# Altium PCB PCB1.PcbDoc (part 2 of 9)
Units mil, origin at the board's own origin, x right, y up, seen from the top; angles counter-clockwise.
Board outline 6000 x 4000 mil, 7 copper layers (Top Layer, InternalPlane1, MidLayer1, InternalPlane2, Internal Plane 3, MidLayer2, Bottom Layer); 389 components, 0 nets, 1750 pads, 1189 vias.
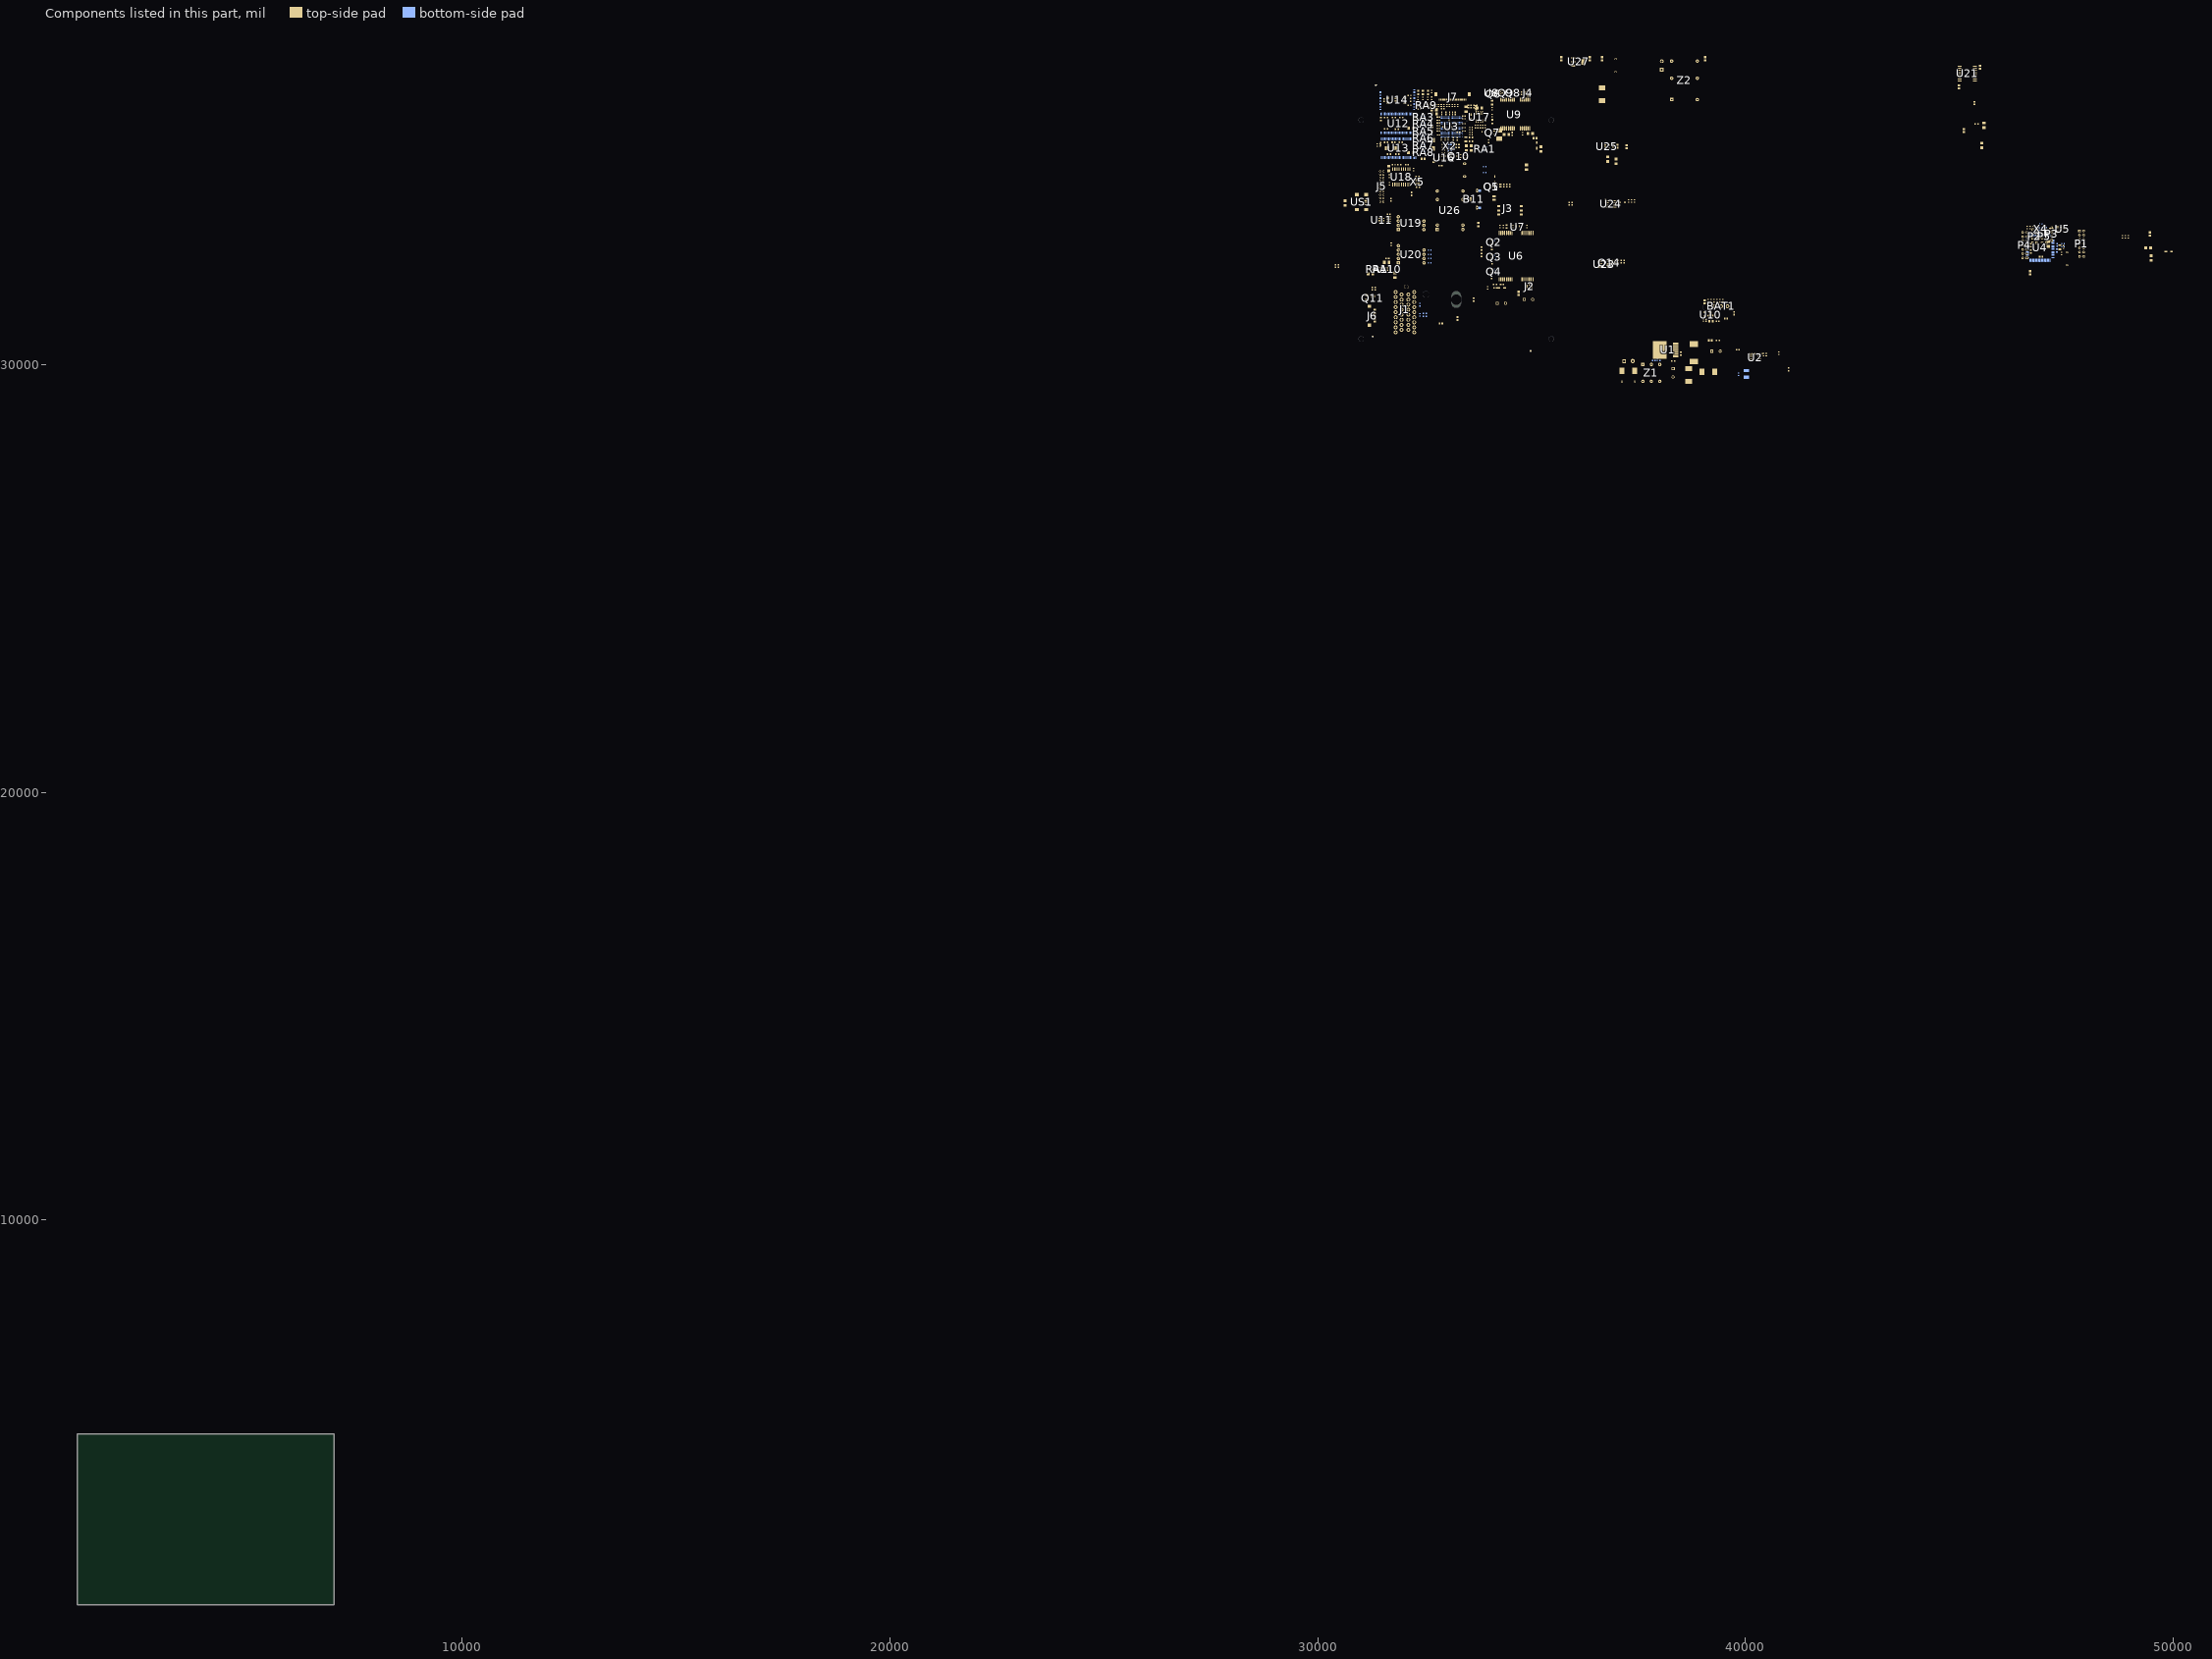
[diagram p7: the components of this part, seen from the top]

## Footprints (in the part's own frame and the unit in brackets; to place one, negate y for a bottom-side part, rotate by r counter-clockwise, add the part's x,y. Pads: shape width x height; smd on the part's side, far side on the other; paste and mask are expansions set on the pad) (continued)
TQFP100_N [mm] "100-Pin Plastic Thin Quad Flat Pack (TQFP100), IPC Medium Density"
  oval 1.8x0.3 smd: 1(-7.55,6) 2(-7.55,5.5) 3(-7.55,5) 4(-7.55,4.5) 5(-7.55,4) 6(-7.55,3.5) 7(-7.55,3) 8(-7.55,2.5) 9(-7.55,2) 10(-7.55,1.5) 11(-7.55,1) 12(-7.55,0.5) 13(-7.55,0) 14(-7.55,-0.5) 15(-7.55,-1) 16(-7.55,-1.5) 17(-7.55,-2) 18(-7.55,-2.5) 19(-7.55,-3) 20(-7.55,-3.5) 21(-7.55,-4) 22(-7.55,-4.5) 23(-7.55,-5) 24(-7.55,-5.5) 25(-7.55,-6) 51(7.55,-6) 52(7.55,-5.5) 53(7.55,-5) 54(7.55,-4.5) 55(7.55,-4) 56(7.55,-3.5) 57(7.55,-3) 58(7.55,-2.5) 59(7.55,-2) 60(7.55,-1.5) 61(7.55,-1) 62(7.55,-0.5) 63(7.55,0) 64(7.55,0.5) 65(7.55,1) 66(7.55,1.5) 67(7.55,2) 68(7.55,2.5) 69(7.55,3) 70(7.55,3.5) 71(7.55,4) 72(7.55,4.5) 73(7.55,5) 74(7.55,5.5) 75(7.55,6)
  oval 0.3x1.8 smd: 26(-6,-7.55) 27(-5.5,-7.55) 28(-5,-7.55) 29(-4.5,-7.55) 30(-4,-7.55) 31(-3.5,-7.55) 32(-3,-7.55) 33(-2.5,-7.55) 34(-2,-7.55) 35(-1.5,-7.55) 36(-1,-7.55) 37(-0.5,-7.55) 38(0,-7.55) 39(0.5,-7.55) 40(1,-7.55) 41(1.5,-7.55) 42(2,-7.55) 43(2.5,-7.55) 44(3,-7.55) 45(3.5,-7.55) 46(4,-7.55) 47(4.5,-7.55) 48(5,-7.55) 49(5.5,-7.55) 50(6,-7.55) 76(6,7.55) 77(5.5,7.55) 78(5,7.55) 79(4.5,7.55) 80(4,7.55) 81(3.5,7.55) 82(3,7.55) 83(2.5,7.55) 84(2,7.55) 85(1.5,7.55) 86(1,7.55) 87(0.5,7.55) 88(0,7.55) 89(-0.5,7.55) 90(-1,7.55) 91(-1.5,7.55) 92(-2,7.55) 93(-2.5,7.55) 94(-3,7.55) 95(-3.5,7.55) 96(-4,7.55) 97(-4.5,7.55) 98(-5,7.55) 99(-5.5,7.55) 100(-6,7.55)
  silkscreen extent -7.68,-6.25 6.25,6.82, body extent -7,-7 7,7, height 1.2
TS7B_N [mm] "D2-PAK, 8-Leads, Body 8.6x10.2mm, Pitch 1.27mm, Lead Span 14.1mm, IPC Medium Density"
  rect 3.2x0.95 smd: 1(-6,3.81) 2(-6,2.54) 3(-6,1.27) 4(-6,0) 5(-6,-1.27) 6(-6,-2.54) 7(-6,-3.81)
  rect 8.3x10.5 smd: 8(3.45,0)
  silkscreen extent -6.13,-5.2 -1.1,5.2, body extent -3.35,-5.2 6.05,5.2, height 4.64
TSOP48 [mm]
  rect 1.2x0.45 smd: 1(-10,5.85)
  rect 1.2x0.25 smd: 2(-10,5.25) 3(-10,4.75) 4(-10,4.25) 5(-10,3.75) 6(-10,3.25) 7(-10,2.75) 8(-10,2.25) 9(-10,1.75) 10(-10,1.25) 11(-10,0.75) 12(-10,0.25) 13(-10,-0.25) 14(-10,-0.75) 15(-10,-1.25) 16(-10,-1.75) 17(-10,-2.25) 18(-10,-2.75) 19(-10,-3.25) 20(-10,-3.75) 21(-10,-4.25) 22(-10,-4.75) 23(-10,-5.25) 24(-10,-5.75) 25(10,-5.75) 26(10,-5.25) 27(10,-4.75) 28(10,-4.25) 29(10,-3.75) 30(10,-3.25) 31(10,-2.75) 32(10,-2.25) 33(10,-1.75) 34(10,-1.25) 35(10,-0.75) 36(10,-0.25) 37(10,0.25) 38(10,0.75) 39(10,1.25) 40(10,1.75) 41(10,2.25) 42(10,2.75) 43(10,3.25) 44(10,3.75) 45(10,4.25) 46(10,4.75) 47(10,5.25) 48(10,5.75)
  silkscreen extent -9.2,-6.25 9.2,6.25, body extent -10.08,-6.01 10.02,6.09, height 1.2
TSOP80P1180X120-54N [mm]
  oval 1.55x0.34 smd: 1(-5.55,10.4) 2(-5.55,9.6) 3(-5.55,8.8) 4(-5.55,8) 5(-5.55,7.2) 6(-5.55,6.4) 7(-5.55,5.6) 8(-5.55,4.8) 9(-5.55,4) 10(-5.55,3.2) 11(-5.55,2.4) 12(-5.55,1.6) 13(-5.55,0.8) 14(-5.55,0) 15(-5.55,-0.8) 16(-5.55,-1.6) 17(-5.55,-2.4) 18(-5.55,-3.2) 19(-5.55,-4) 20(-5.55,-4.8) 21(-5.55,-5.6) 22(-5.55,-6.4) 23(-5.55,-7.2) 24(-5.55,-8) 25(-5.55,-8.8) 26(-5.55,-9.6) 27(-5.55,-10.4) 28(5.55,-10.4) 29(5.55,-9.6) 30(5.55,-8.8) 31(5.55,-8) 32(5.55,-7.2) 33(5.55,-6.4) 34(5.55,-5.6) 35(5.55,-4.8) 36(5.55,-4) 37(5.55,-3.2) 38(5.55,-2.4) 39(5.55,-1.6) 40(5.55,-0.8) 41(5.55,0) 42(5.55,0.8) 43(5.55,1.6) 44(5.55,2.4) 45(5.55,3.2) 46(5.55,4) 47(5.55,4.8) 48(5.55,5.6) 49(5.55,6.4) 50(5.55,7.2) 51(5.55,8) 52(5.55,8.8) 53(5.55,9.6) 54(5.55,10.4)
  silkscreen extent -5.67,-11.1 4.37,11.24, body extent -5.86,-11.11 5.9,11.11, height 1.25
USB/SM0.8-6H5 [mm] "Connector; USB2.0, Type B, SM; 5 Position; Right Angle"
  rect 2.3x0.5 smd: 1(-7.85,-1.6) 2(-7.85,-0.8) 3(-7.85,0) 4(-7.85,0.8) 5(-7.85,1.6)
  rect 2.5x2 smd: MH1(-7.75,4.45) MH2(-2.25,4.45) MH3(-7.75,-4.45) MH4(-2.25,-4.45)
  round 0.6 hole 0.9 unplated: ""(-5.25,-2.2) ""(-5.25,2.2)
  silkscreen extent -9.68,-4.95 0.7,4.95, body extent -8.9,-4.95 0.7,4.95, height 3.9

## Part data
B1 B2 B3 B4 B5 B6 B7 B8 B9 B10: library part LED2, "Typical RED, GREEN, YELLOW, AMBER GaAs LED"
B11: "插针 电池座"
BAT1: library part Battery, "插针 Multicell Battery"
C1 C2 C3 C4 C5 C6 C39 C40 C41 C42 C43 C44 C45 C48 C49 C50 C51 C52 C53 C54 C55 C56 C57 C58 C59 C60 C61 C62 C63 C64 C65 C66 C67 C68 C69 C70 C71 C72 C73 C74 C75 C76 C77 C80 C83 C84 C88 C89 C90 C91: library part CAP, "多层陶瓷电容器MLCC - SMD/SMT 0603 0.1uF 50volts X7R 10%"
C7 C8 C9 C10 C11 C12 C13 C14 C15 C16 C18 C19 C20 C21 C22 C23 C24 C30 C31 C32 C33 C34 C35 C36 C37 C38: library part CAP, "多层陶瓷电容器MLCC - SMD/SMT 0402 0.1uF 50volts X7R 10%"
C17 C25 C28 C29 C46 C47 C78 C79: library part CAP, "多层陶瓷电容器MLCC - SMD/SMT 0603 15pF 50volts C0G 5%"
C26: library part CAP, "多层陶瓷电容器MLCC - SMD/SMT 0603 2200pF 50volts X7R 10%"
C27 C81 C82: library part CAP, "多层陶瓷电容器MLCC - SMD/SMT 0603 50volts 680pF X7R 10%"
C92 C93: library part CAP, "Capacitor"
CM1: library part Cap, "多层陶瓷电容器MLCC - SMD/SMT 1000pF 3000volts 20%"
CM4: library part "Cap Pol2", "多层陶瓷电容器MLCC - SMD/SMT 4.7uF 50Volts 10%"
CP1 CP2 CP3 CP4 CP5 CP6 CP7 CP8 CP9 CP10 CP11 CP12 CP13 CP14 CP15 CP16 CP17 CP18 CP19 CP20 CP21 CP22 CP23 CP24: library part CAPACITOR, "钽质电容器-固体SMD 16volts 10uF 10%"
CP25 CP26: library part CAPACITOR, "Tantalum Capacitor"
CT1 CT2 CT3 CT4: library part CAPACITOR, "钽质电容器-固体SMD 16V 100uF 10%"
CV1 CV4: library part ELECTRO1, "插针 铝质电解电容器 - 带引线 270UF 50V ELECT FM RADIAL"
CV2: library part ELECTRO1, "插针 铝质电解电容器 - 带引线 220UF 35V ELECT FM RADIAL"
CV3: library part ELECTRO1, "插针 铝质电解电容器 - 带引线 1200uF 10V"
D1 D2 D12: library part "D Schottky", "肖特基二极管与整流器 3.0 Amp 60 Volt"
D3: library part 30BQ040, "TVS 二极管 - 瞬态电压抑制器 1500W 48V Unidirect"
D4 D5 D6 D7 D8 D11: library part 1N4148W, "二极管 - 通用，功率，开关 100V Io/150mA"
F1: library part "Fuse 2", "Resettable Fuses - PPTC PTC POLYFUSE RADIAL 72V .900A"
F2: library part "Fuse 2", "插针 可复位保险丝 60V POLYFUSE .100A RADIAL LEADS"
J1: library part 6-174683-5, "插针 汽车连接器 SUPER SEAL 34POS CAP ASY V AU"
J2 J4: library part COAX-F, "插针 RF 连接器 ONBRD IPEX MHF RECEPTACLE"
J3: library part SIMCARD, "CON"
J5: library part "HEADER 10X2", "插针 CON"
J6: library part 16PIN, "TE CONNECTIVITY / AMP - 1-1734592-6 - FFC/FPC CONNECTOR, RECEPTACLE 16POS 1ROW"
J7: library part "HEADER 33", "CON"
L1: library part Inductor, "固定电感器 SMT-INDUCTOR 12X12 68UH 2.35A"
LR1 LR2 LR3 LR4 LR5 LR6 LR7 LR8 LR9 LR10 LR11 LR12 LR13 LR14 LR16 LR17 LR18 LR19 LR20 LR21 LRN1: library part "Res Semi", "电磁干扰滤波珠子、扼流圈和阵列 Ferrite Chip Beads"
M1 M2 M3: library part D-001-0001, "Mounting Hole, M3 Screw, Plated, Square Pad"
P1 P4: library part "Header 7X2", "TE CONNECTIVITY 2.54mm / AMP - 0-281272-1 - HEADER STRAIGHT 14WAY"
P2 P5: "插针 Header, 4-Pin, Dual row"
P3: "插针 Header, 4-Pin"
Q1 Q5 Q14: "NPN General Purpose Amplifier"
Q2 Q3 Q4 Q6 Q7: library part PDTC143ET, "开关晶体管 - 偏压电阻器 TRANS RET TAPE-11"
Q8 Q9: library part MMBT3096, "两极晶体管 - BJT 200mA 40V PNP"
Q10 Q11: library part 2N7002, "MOSFET 20V 2.9A 0.86W 57mohm @ 4.5V"
R1 R3 R17 R18 R19 R20 R21 R33 R34 R50 R51 R62 R64 R68 R86 R87 R88 R90 R91 R94 R95 R104 R108 R121: library part RES, "厚膜电阻器 - SMD 1/10watt 1.0Kohms 1%"
R2 R8 R25 R26 R60 R63 RN1: library part RES, "厚膜电阻器 - SMD 1/10watt 1.0Mohms 1%"
R4 R5 R43 R49 R56 R59 R117: library part RES, "厚膜电阻器 - SMD 1/10watt 100Kohms 1%"
R6 R7 R10 R119 R122: library part RES, "厚膜电阻器 - SMD 1/10watt 15Kohms 1%"
R9: library part RES, "厚膜电阻器 - SMD 1/10watt 249Kohms 1%"
R11 R12 R13 R15 R16 R27 R28 R29 R30 R35 R36 R38 R39 R40 R41 R42 R47 R48 R52 R54 R55 R57 R58 R61 R69 R70 R71 R72 R73 R78 R79 R81 R82 R83 R84 R85 R93 R98 R99 R100 R102 R103 R120 R123 R124 RN2 RN3 RN4 RN5 RN6 RN7 RN8: library part RES, "厚膜电阻器 - SMD 1/10watt 10Kohms 1%"
R14 R24 R65: library part RES, "厚膜电阻器 - SMD 1/10watt 300Kohms 1%"
R22 R23 R37 R76 RD1 RD2 RD3 RD4 RD5 RD6 RD7 RD8 RD9 RD10 RN10 RN11: library part RES, "厚膜电阻器 - SMD 1/10watt ZEROohm Jumper"
R31 R32 R44 R45 R46 R53 R66 R67 R74 R75 R77 R80 R92 R96 R97 R105 R107 RN9 RN12: library part RES, "厚膜电阻器 - SMD 1/10watt 22ohms 1%"
R89 R101 R106 R118: library part RES, "厚膜电阻器 - SMD 1/10watt 120ohms 1%"
RA1 RA3 RA4 RA5 RA6 RA7 RA8 RA9: library part RP4R, "电阻器网络与阵列 8Term 22ohms 5% Convex"
RA10 RA11: library part RP4R, "电阻器网络与阵列 8Term 10Kohms 5% Convex"
RF1 RF2 RF3: library part FUSE1, "可复位保险丝 PTC 30V POLY SURF MOUNT 0805 .500A"
RF4: library part FUSE1, "可复位保险丝 PTC 30V POLY SURF MOUNT 0805.500A"
S1: library part "Header 2", "插针 工业级震动传感器"
S2: library part "Header 2", "插针 光敏传感器"
U1: "SIMPLE SWITCHER?High Efficiency 3A Step-Down Voltage Regulator, 7-pin TO-263, Pb-Free"
U2 U24: "Ultra Low-Power, Low-Cost Comparator with 2% Reference"
U3: "IC"
U4: library part MSP430F5438, "IC MCU 16BIT 256K FLASH 100-LQFP"
U5: library part "Volt Reg", "LDO Voltage Controllers"
U6: "GSM模块"
U7: "TVS二极管阵列 5 Line TVS Array"
U8 U25: "Micropower, 150mA Low-Dropout CMOS Voltage Regulator, 5-pin SOT-23, Pb-Free"
U9: "GPS模块"
U10: library part BQ24073, "电池管理 1.5A USB-Friendly Li Ion Batt Charger"
U11: "TVS二极管阵列 ESD Protection Low Cap"
U12 U13: library part K4S561632C, "IC"
U14: library part K9F2808, "IC"
U15: library part SPEAKER, "插针 BUZZER MAGNET 2048HZ 12MM PC MNT"
U16: library part MAX811-EUS-T, "监控电路 4-Pin uPower Voltage Monitor"
U17: library part AT24C02BN-SP25-T, "电可擦除可编程只读存储器 64K 2-WIRE 1.7V"
U18: "网络控制器与处理器 IC W/ SPI Inter 125dC"
U19: library part CTM1050, "插针 集成电路"
U20: "插针 集成电路"
U21: library part ADuM2401, "ADuM2401 1IN 3OUT"
U23: "+3V Voltage Monitoring, Low-Cost, 礟 Supervisory Circuit"
U26: "插针VRD240512MP-8W 2:1 1500V 82%"
U27: "800mA Low-Dropout Linear Regulator, 4-pin SOT-223, Pb-Free"
US1: library part D-300-0034, "USB On-The-Go (OTG) Mini-B Receptacle, Right Angle, SMT, 0.80mm (.031\") Pitch, Solder Tabs with Back Cover, Recessed Type"
VR1 VR2: library part "Res Varistor", "插针 压敏电阻 500A 39volts 10%"
X1 X3: library part XTAL, "晶体 32.768KHz 20ppm 12.5pF -40C -85C"
X2 X4 X5: library part XTAL, "CRYSTAL 16MHZ 18PF SMD"
Z1 Z2: library part CXDB, "插针 Filter"

## Free pads (board coordinates)
  round 125.98 hole 118.11 unplated: 0(31018,30609) 0(31018,35727.11) 0(35466.82,30609) 0(35466.82,35727.11)
  round 157.48 hole 157.48 unplated: 0(32533.75,31652.31) 0(39089.8,31349.36)
  oval 19.68x39.37 smd far side: 1(32709.25,35354.49) 1(32709.25,35755.76) 1(33493.23,35315.84) 1(33493.23,35702.85)
  oval 39.37x19.68 smd far side: 1(32772.29,35234.83) 1(33044.16,35912.13) 1(33437.16,35234.83)
  oval 236.22x393.7 hole 236.22 slot 393.7 at 90 deg unplated: 1(33242.41,31529.67)

## Via types
v1: diameter 18, hole 10, Top Layer to Bottom Layer, tented both sides, 402 vias
v2: diameter 20, hole 10, Top Layer to Bottom Layer, tented both sides, 376 vias
v3: diameter 25, hole 15, Top Layer to Bottom Layer, tented both sides, 361 vias
v4: diameter 23.62, hole 11.81, Top Layer to Bottom Layer, tented both sides, 45 vias
v5: diameter 50, hole 28, Top Layer to Bottom Layer, tented both sides, 4 vias
v6: diameter 30, hole 15, Top Layer to Bottom Layer, tented both sides, 1 vias

## Nets (pads, with @x,y where several pads share a name; then routed paths per layer and width w, separated by ;. In a path a pad name is that pad's centre, name@x,y a point inside that pad or via, vN(x,y) a via of type N, cw(c..) or ccw(c..) an arc to the next point about the centre after c; other vN are vias at no path point)
pads on no net: B1.1 B1.2 B2.1 B2.2 B3.1 B3.2 B4.1 B4.2 B5.1 B5.2 B6.1 B6.2 B7.1 B7.2 B8.1 B8.2 B9.1 B9.2 B10.1 B10.2 B11.1 B11.2 BAT1.1 BAT1.2 BAT1.3 C1.1 C1.2 C2.1 C2.2 C3.1 C3.2 C4.1 C4.2 C5.1 C5.2 C6.1 C6.2 C7.1 C7.2 C8.1 C8.2 C9.1 C9.2 C10.1 C10.2 C11.1 C11.2 C12.1 C12.2 C13.1 C13.2 C14.1 C14.2 C15.1 C15.2 C16.1 C16.2 C17.1 C17.2 C18.1 C18.2 C19.1 C19.2 C20.1 C20.2 C21.1 C21.2 C22.1 C22.2 C23.1 C23.2 C24.1 C24.2 C25.1 C25.2 C26.1 C26.2 C27.1 C27.2 C28.1 C28.2 C29.1 C29.2 C30.1 C30.2 C31.1 C31.2 C32.1 C32.2 C33.1 C33.2 C34.1 C34.2 C35.1 C35.2 C36.1 C36.2 C37.1 C37.2 C38.1 C38.2 C39.1 C39.2 C40.1 C40.2 C41.1 C41.2 C42.1 C42.2 C43.1 C43.2 C44.1 C44.2 C45.1 C45.2 C46.1 C46.2 C47.1 C47.2 C48.1 C48.2 C49.1 C49.2 C50.1 C50.2 C51.1 C51.2 C52.1 C52.2 C53.1 C53.2 C54.1 C54.2 C55.1 C55.2 C56.1 C56.2 C57.1 C57.2 C58.1 C58.2 C59.1 C59.2 C60.1 C60.2 C61.1 C61.2 C62.1 C62.2 C63.1 C63.2 C64.1 C64.2 C65.1 C65.2 C66.1 C66.2 C67.1 C67.2 C68.1 C68.2 C69.1 C69.2 C70.1 C70.2 C71.1 C71.2 C72.1 C72.2 C73.1 C73.2 C74.1 C74.2 C75.1 C75.2 C76.1 C76.2 C77.1 C77.2 C78.1 C78.2 C79.1 C79.2 C80.1 C80.2 C81.1 C81.2 C82.1 C82.2 C83.1 C83.2 C84.1 C84.2 C88.1 C88.2 C89.1 C89.2 C90.1 C90.2 C91.1 C91.2 C92.1 C92.2 C93.1 C93.2 CM1.1 CM1.2 CM4.1 CM4.2 CP1.1 CP1.2 CP2.1 CP2.2 CP3.1 CP3.2 CP4.1 CP4.2 CP5.1 CP5.2 CP6.1 CP6.2 CP7.1 CP7.2 CP8.1 CP8.2 CP9.1 CP9.2 CP10.1 CP10.2 CP11.1 CP11.2 CP12.1 CP12.2 CP13.1 CP13.2 CP14.1 CP14.2 CP15.1 CP15.2 CP16.1 CP16.2 CP17.1 CP17.2 CP18.1 CP18.2 CP19.1 CP19.2 CP20.1 CP20.2 CP21.1 CP21.2 CP22.1 CP22.2 CP23.1 CP23.2 CP24.1 CP24.2 CP25.1 CP25.2 CP26.1 CP26.2 CT1.1 CT1.2 CT2.1 CT2.2 CT3.1 CT3.2 CT4.1 CT4.2 CV1.1 CV1.2 CV2.1 CV2.2 CV3.1 CV3.2 CV4.1 CV4.2 D1.1 D1.2 D2.1 D2.2 D3.1 D3.2 D4.1 D4.2 D5.1 D5.2 D6.1 D6.2 D7.1 D7.2 D8.1 D8.2 D11.1 D11.2 D12.1 D12.2 F1.1 F1.2 F2.1 F2.2 J1. J1.1 J1.2 J1.3 J1.4 J1.5 J1.6 J1.7 J1.8 J1.9 J1.10 J1.11 J1.12 J1.13 J1.14 J1.15 J1.16 J1.17 J1.18 J1.19 J1.20 J1.21 J1.22 J1.23 J1.24 J1.25 J1.26 J1.27 J1.28 J1.29 J1.30 J1.31 J1.32 J1.33 J1.34 J2.1 J2.2 J2.3 J2.4 J3.1 J3.2 J3.3 J3.4 J3.5 J3.6 J3.7 J3.8 J4.1 J4.2 J4.3 J4.4 J5.1 J5.2 J5.3 J5.4 J5.5 J5.6 J5.7 J5.8 J5.9 J5.10 J5.11 J5.12 J5.13 J5.14 J5.15 J5.16 J5.17 J5.18 J5.19 J5.20 J6.1 J6.2 J6.3 J6.4 J6.5 J6.6 J6.7 J6.8 J6.9 J6.10 J6.11 J6.12 J6.13 J6.14 J6.15 J6.16 J6.17 J6.18 J7.1 J7.2 J7.3 J7.4 J7.5 J7.6 J7.7 J7.8 J7.9 J7.10 J7.11 J7.12 J7.13 J7.14 J7.15 J7.16 J7.17 J7.18 J7.19 J7.20 J7.21 J7.22 J7.23 J7.24 J7.25 J7.26 J7.27 J7.28 J7.29 J7.30 J7.31 J7.32 J7.33 J7.34 J7.35 L1.1 L1.2 LR1.1 LR1.2 LR2.1 LR2.2 LR3.1 LR3.2 LR4.1 LR4.2 LR5.1 LR5.2 LR6.1 LR6.2 LR7.1 LR7.2 LR8.1 LR8.2 LR9.1 LR9.2 LR10.1 LR10.2 LR11.1 LR11.2 LR12.1 LR12.2 LR13.1 LR13.2 LR14.1 LR14.2 LR16.1 LR16.2 LR17.1 LR17.2 LR18.1 LR18.2 LR19.1 LR19.2 LR20.1 LR20.2 LR21.1 LR21.2 LRN1.1 LRN1.2 M1.1 M2.1 M3.1 P1.1 P1.2 P1.3 P1.4 P1.5 P1.6 P1.7 P1.8 P1.9 P1.10 P1.11 P1.12 P1.13 P1.14 P2.1 P2.2 P2.3 P2.4 P2.5 P2.6 P2.7 P2.8 P3.1 P3.2 P3.3 P3.4 P4.1 P4.2 P4.3 P4.4 P4.5 P4.6 P4.7 P4.8 P4.9 P4.10 P4.11 P4.12 P4.13 P4.14 P5.1 P5.2 P5.3 P5.4 P5.5 P5.6 P5.7 P5.8 Q1.1 Q1.2 Q1.3 Q2.1 Q2.2 Q2.3 Q3.1 Q3.2 Q3.3 Q4.1 Q4.2 Q4.3 Q5.1 Q5.2 Q5.3 Q6.1 Q6.2 Q6.3 Q7.1 Q7.2 Q7.3 Q8.1 Q8.2 Q8.3 Q9.1 Q9.2 Q9.3 Q10.1 Q10.2 Q10.3 Q11.1 Q11.2 Q11.3 Q14.1 Q14.2 Q14.3 R1.1 R1.2 R2.1 R2.2 R3.1 R3.2 R4.1 R4.2 R5.1 R5.2 R6.1 R6.2 R7.1 R7.2 R8.1 R8.2 R9.1 R9.2 R10.1 R10.2 R11.1 R11.2 R12.1 R12.2 R13.1 R13.2 R14.1 R14.2 R15.1 R15.2 R16.1 R16.2 R17.1 R17.2 R18.1 R18.2 R19.1 R19.2 R20.1 R20.2 R21.1 R21.2 R22.1 R22.2 R23.1 R23.2 R24.1 R24.2 R25.1 R25.2 R26.1 R26.2 R27.1 R27.2 R28.1 R28.2 R29.1 R29.2 R30.1 R30.2 R31.1 R31.2 R32.1 R32.2 R33.1 R33.2 R34.1 R34.2 R35.1 R35.2 R36.1 R36.2 R37.1 R37.2 R38.1 R38.2 R39.1 R39.2 R40.1 R40.2 R41.1 R41.2 R42.1 R42.2 R43.1 R43.2 R44.1 R44.2 R45.1 R45.2 R46.1 R46.2 R47.1 R47.2 R48.1 R48.2 R49.1 R49.2 R50.1 R50.2 R51.1 R51.2 R52.1 R52.2 R53.1 R53.2 R54.1 R54.2 R55.1 R55.2 R56.1 R56.2 R57.1 R57.2 R58.1 R58.2 R59.1 R59.2 R60.1 R60.2 R61.1 R61.2 R62.1 R62.2 R63.1 R63.2 R64.1 R64.2 R65.1 R65.2 R66.1 R66.2 R67.1 R67.2 R68.1 R68.2 R69.1 R69.2 R70.1 R70.2 R71.1 R71.2 R72.1 R72.2 R73.1 R73.2 R74.1 R74.2 R75.1 R75.2 R76.1 R76.2 R77.1 R77.2 R78.1 R78.2 R79.1 R79.2 R80.1 R80.2 R81.1 R81.2 R82.1 R82.2 R83.1 R83.2 R84.1 R84.2 R85.1 R85.2 R86.1 R86.2 R87.1 R87.2 R88.1 R88.2 R89.1 R89.2 R90.1 R90.2 R91.1 R91.2 R92.1 R92.2 R93.1 R93.2 R94.1 R94.2 R95.1 R95.2 R96.1 R96.2 R97.1 R97.2 R98.1 R98.2 R99.1 R99.2 R100.1 R100.2 R101.1 R101.2 R102.1 R102.2 R103.1 R103.2 R104.1 R104.2 R105.1 R105.2 R106.1 R106.2 R107.1 R107.2 R108.1 R108.2 R117.1 R117.2 R118.1 R118.2 R119.1 R119.2 R120.1 R120.2 R121.1 R121.2 R122.1 R122.2 R123.1 R123.2 R124.1 R124.2 RA1.1 RA1.2 RA1.3 RA1.4 RA1.5 RA1.6 RA1.7 RA1.8 RA3.1 RA3.2 RA3.3 RA3.4 RA3.5 RA3.6 RA3.7 RA3.8 RA4.1 RA4.2 RA4.3 RA4.4 RA4.5 RA4.6 RA4.7 RA4.8 RA5.1 RA5.2 RA5.3 RA5.4 RA5.5 RA5.6 RA5.7 RA5.8 RA6.1 RA6.2 RA6.3 RA6.4 RA6.5 RA6.6 RA6.7 RA6.8 RA7.1 RA7.2 RA7.3 RA7.4 RA7.5 RA7.6 RA7.7 RA7.8 RA8.1 RA8.2 RA8.3 RA8.4 RA8.5 RA8.6 RA8.7 RA8.8 RA9.1 RA9.2 RA9.3 RA9.4 RA9.5 RA9.6 RA9.7 RA9.8 RA10.1 RA10.2 RA10.3 RA10.4 RA10.5 RA10.6 RA10.7 RA10.8 RA11.1 RA11.2 RA11.3 RA11.4 RA11.5 RA11.6 RA11.7 RA11.8 RD1.1 RD1.2 RD2.1 RD2.2 RD3.1 RD3.2 RD4.1 RD4.2 RD5.1 RD5.2 RD6.1 RD6.2 RD7.1 RD7.2 RD8.1 RD8.2 RD9.1 RD9.2 RD10.1 RD10.2 RF1.1 RF1.2 RF2.1 RF2.2 RF3.1 RF3.2 RF4.1 RF4.2 RN1.1 RN1.2 RN2.1 RN2.2 RN3.1 RN3.2 RN4.1 RN4.2 RN5.1 RN5.2 RN6.1 RN6.2 RN7.1 RN7.2 RN8.1 RN8.2 RN9.1 RN9.2 RN10.1 RN10.2 RN11.1 RN11.2 RN12.1 RN12.2 S1.1 S1.2 S2.1 S2.2 U1.1 U1.2 U1.3 U1.4 U1.5 U1.6 U1.7 U1.8 U2.1 U2.2 U2.3 U2.4 U2.5 U2.6 U2.7 U2.8 U3.A1 U3.A2 U3.A3 U3.A4 U3.A5 U3.A6 U3.A7 U3.A8 U3.A9 U3.A10 U3.A11 U3.A12 U3.A13 U3.A14 U3.A15 U3.A16 U3.A17 U3.B1 U3.B2 U3.B3 U3.B4 U3.B5 U3.B6 U3.B7 U3.B8 U3.B9 U3.B10 U3.B11 U3.B12 U3.B13 U3.B14 U3.B15 U3.B16 U3.B17 U3.C1 U3.C2 U3.C3 U3.C4 U3.C5 U3.C6 U3.C7 U3.C8 U3.C9 U3.C10 U3.C11 U3.C12 U3.C13 U3.C14 U3.C15 U3.C16 U3.C17 U3.D1 U3.D2 U3.D3 U3.D4 U3.D5 U3.D6 U3.D7 U3.D8 U3.D9 U3.D10 U3.D11 U3.D12 U3.D13 U3.D14 U3.D15 U3.D16 U3.D17 U3.E1 U3.E2 U3.E3 U3.E4 U3.E5 U3.E6 U3.E7 U3.E8 U3.E9 U3.E10 U3.E11 U3.E12 U3.E13 U3.E14 U3.E15 U3.E16 U3.E17 U3.F1 U3.F2 U3.F3 U3.F4 U3.F5 U3.F6 U3.F7 U3.F8 U3.F9 U3.F10 U3.F11 U3.F12 U3.F13 U3.F14 U3.F15 U3.F16 U3.F17 U3.G1 U3.G2 U3.G3 U3.G4 U3.G5 U3.G6 U3.G7 U3.G8 U3.G9 U3.G10 U3.G11 U3.G12 U3.G13 U3.G14 U3.G15 U3.G16 U3.G17 U3.H1 U3.H2 U3.H3 U3.H4 U3.H5 U3.H6 U3.H7 U3.H8 U3.H9 U3.H10 U3.H11 U3.H12 U3.H13 U3.H14 U3.H15 U3.H16 U3.H17 U3.J1 U3.J2 U3.J3 U3.J4 U3.J5 U3.J6 U3.J7 U3.J8 U3.J9 U3.J10 U3.J11 U3.J12 U3.J13 U3.J14 U3.J15 U3.J16 U3.J17 U3.K1 U3.K2 U3.K3 U3.K4 U3.K5 U3.K6 U3.K7 U3.K8 U3.K9 U3.K10 U3.K11 U3.K12 U3.K13 U3.K14 U3.K15 U3.K16 U3.K17 U3.L1 U3.L2 U3.L3 U3.L4 U3.L5 U3.L6 U3.L7 U3.L8 U3.L9 U3.L10 U3.L11 U3.L12 U3.L13 U3.L14 U3.L15 U3.L16 U3.L17 U3.M1 U3.M2 U3.M3 U3.M4 U3.M5 U3.M6 U3.M7 U3.M8 U3.M9 U3.M10 U3.M11 U3.M12 U3.M13 U3.M14 U3.M15 U3.M16 U3.M17 U3.N1 U3.N2 U3.N3 U3.N4 U3.N5 U3.N6 U3.N7 U3.N8 U3.N9 U3.N10 U3.N11 U3.N12 U3.N13 U3.N14 U3.N15 U3.N16 U3.N17 U3.P1 U3.P2 U3.P3 U3.P4 U3.P5 U3.P6 U3.P7 U3.P8 U3.P9 U3.P10 U3.P11 U3.P12 U3.P13 U3.P14 U3.P15 U3.P16 U3.P17 U3.R1 U3.R2 U3.R3 U3.R4 U3.R5 U3.R6 U3.R7 U3.R8 U3.R9 U3.R10 U3.R11 U3.R12 U3.R13 U3.R14 U3.R15 U3.R16 U3.R17 U3.T1 U3.T2 U3.T3 U3.T4 U3.T5 U3.T6 U3.T7 U3.T8 U3.T9 U3.T10 U3.T11 U3.T12 U3.T13 U3.T14 U3.T15 U3.T16 U3.T17 U3.U1 U3.U2 U3.U3 U3.U4 U3.U5 U3.U6 U3.U7 U3.U8 U3.U9 U3.U10 U3.U11 U3.U12 U3.U13 U3.U14 U3.U15 U3.U16 U3.U17 U4.1 U4.2 U4.3 U4.4 U4.5 U4.6 U4.7 U4.8 U4.9 U4.10 U4.11 U4.12 U4.13 U4.14 U4.15 U4.16 U4.17 U4.18 U4.19 U4.20 U4.21 U4.22 U4.23 U4.24 U4.25 U4.26 U4.27 U4.28 U4.29 U4.30 U4.31 U4.32 U4.33 U4.34 U4.35 U4.36 U4.37 U4.38 U4.39 U4.40 U4.41 U4.42 U4.43 U4.44 U4.45 U4.46 U4.47 U4.48 U4.49 U4.50 U4.51 U4.52 U4.53 U4.54 U4.55 U4.56 U4.57 U4.58 U4.59 U4.60 U4.61 U4.62 U4.63 U4.64 U4.65 U4.66 U4.67 U4.68 U4.69 U4.70 U4.71 U4.72 U4.73 U4.74 U4.75 U4.76 U4.77 U4.78 U4.79 U4.80 U4.81 U4.82 U4.83 U4.84 U4.85 U4.86 U4.87 U4.88 U4.89 U4.90 U4.91 U4.92 U4.93 U4.94 U4.95 U4.96 U4.97 U4.98 U4.99 U4.100 U5.1 U5.2 U5.3 U6.1 U6.2 U6.3 U6.4 U6.5 U6.6 U6.7 U6.8 U6.9 U6.10 U6.11 U6.12 U6.13 U6.14 U6.15 U6.16 U6.17 U6.18 U6.19 U6.20 U6.21 U6.22 U6.23 U6.24 U6.25 U6.26 U6.27 U6.28 U6.29 U6.30 U7.1 U7.2 U7.3 U7.4 U7.5 U7.6 U8.1 U8.2 U8.3 U8.4 U8.5 U9. U9.1 U9.2 U9.3 U9.4 U9.5 U9.6 U9.7 U9.8 U9.9 U9.10 U9.11 U9.12 U9.13 U9.14 U9.15 U9.16 U9.17 U9.18 U9.19 U9.20 U9.21 U9.22 U9.23 U9.24 U9.25 U9.26 U9.27 U9.28 U10. U10.1 U10.2 U10.3 U10.4 U10.5 U10.6 U10.7 U10.8 U10.9 U10.10 U10.11 U10.12 U10.13 U10.14 U10.15 U10.16 U11.1 U11.2 U11.3 U11.4 U11.5 U11.6 U12.1 U12.2 U12.3 U12.4 U12.5 U12.6 U12.7 U12.8 U12.9 U12.10 U12.11 U12.12 U12.13 U12.14 U12.15 U12.16 U12.17 U12.18 U12.19 U12.20 U12.21 U12.22 U12.23 U12.24 U12.25 U12.26 U12.27 U12.28 U12.29 U12.30 U12.31 U12.32 U12.33 U12.34 U12.35 U12.36 U12.37 U12.38 U12.39 U12.40 U12.41 U12.42 U12.43 U12.44 U12.45 U12.46 U12.47 U12.48 U12.49 U12.50 U12.51 U12.52 U12.53 U12.54 U13.1 U13.2 U13.3 U13.4 U13.5 U13.6 U13.7 U13.8 U13.9 U13.10 U13.11 U13.12 U13.13 U13.14 U13.15 U13.16 U13.17 U13.18 U13.19 U13.20 U13.21 U13.22 U13.23 U13.24 U13.25 U13.26 U13.27 U13.28 U13.29 U13.30 U13.31 U13.32 U13.33 U13.34 U13.35 U13.36 U13.37 U13.38 U13.39 U13.40 U13.41 U13.42 U13.43 U13.44 U13.45 U13.46 U13.47 U13.48 U13.49 U13.50 U13.51 U13.52 U13.53 U13.54 U14.1 U14.2 U14.3 U14.4 U14.5 U14.6 U14.7 U14.8 U14.9 U14.10 U14.11 U14.12 U14.13 U14.14 U14.15 U14.16 U14.17 U14.18 U14.19 U14.20 U14.21 U14.22 U14.23 U14.24 U14.25 U14.26 U14.27 U14.28 U14.29 U14.30 U14.31 U14.32 U14.33 U14.34 U14.35 U14.36 U14.37 U14.38 U14.39 U14.40 U14.41 U14.42 U14.43 U14.44 U14.45 U14.46 U14.47 U14.48 U15.1 U15.2 U16.1 U16.2 U16.3 U16.4 U17.1 U17.2 U17.3 U17.4 U17.5 U17.6 U17.7 U17.8 U18.1 U18.2 U18.3 U18.4 U18.5 U18.6 U18.7 U18.8 U18.9 U18.10 U18.11 U18.12 U18.13 U18.14 U18.15 U18.16 U18.17 U18.18 U19.1 U19.2 U19.3 U19.4 U19.6 U19.7 U19.8 U20.1 U20.2 U20.3 U20.4 U20.5 U20.7 U20.8 U20.9 U20.10 U21.1 U21.2 U21.3 U21.4 U21.5 U21.6 U21.7 U21.8 U21.9 U21.10 U21.11 U21.12 U21.13 U21.14 U21.15 U21.16 U23.1 U23.2 U23.3 U23.4 U23.5 U23.6 U23.7 U23.8 U24.1 U24.2 U24.3 U24.4 U24.5 U24.6 U24.7 U24.8 U25.1 U25.2 U25.3 U25.4 U25.5 U26.2 U26.3 U26.9 U26.11 U26.14 U26.16 U26.22 U26.23 U27.1 U27.2 U27.3 U27.4 US1. US1.1 US1.2 US1.3 US1.4 US1.5 US1.MH1 US1.MH2 US1.MH3 US1.MH4 VR1.1 VR1.2 VR2.1 VR2.2 X1.1 X1.2 X2.1 X2.2 X2.3 X2.4 X3.1 X3.2 X4.1 X4.2 X4.3 X4.4 X5.1 X5.2 X5.3 X5.4 Z1.1 Z1.2 Z1.3 Z1.4 Z1.5 Z1.6 Z2.1 Z2.2 Z2.3 Z2.4 Z2.5 Z2.6